# Altium PCB Audio-Streamer-Mainboard.PcbDoc (part 5 of 7)
Units mm, origin at the board's own origin, x right, y up, seen from the top; angles counter-clockwise.
Board outline 180 x 270 mm, 4 copper layers (Top Layer, VCC, GND, Bottom Layer), stack 1.62 mm thick; 653 components, 499 nets, 2423 pads, 1617 vias.
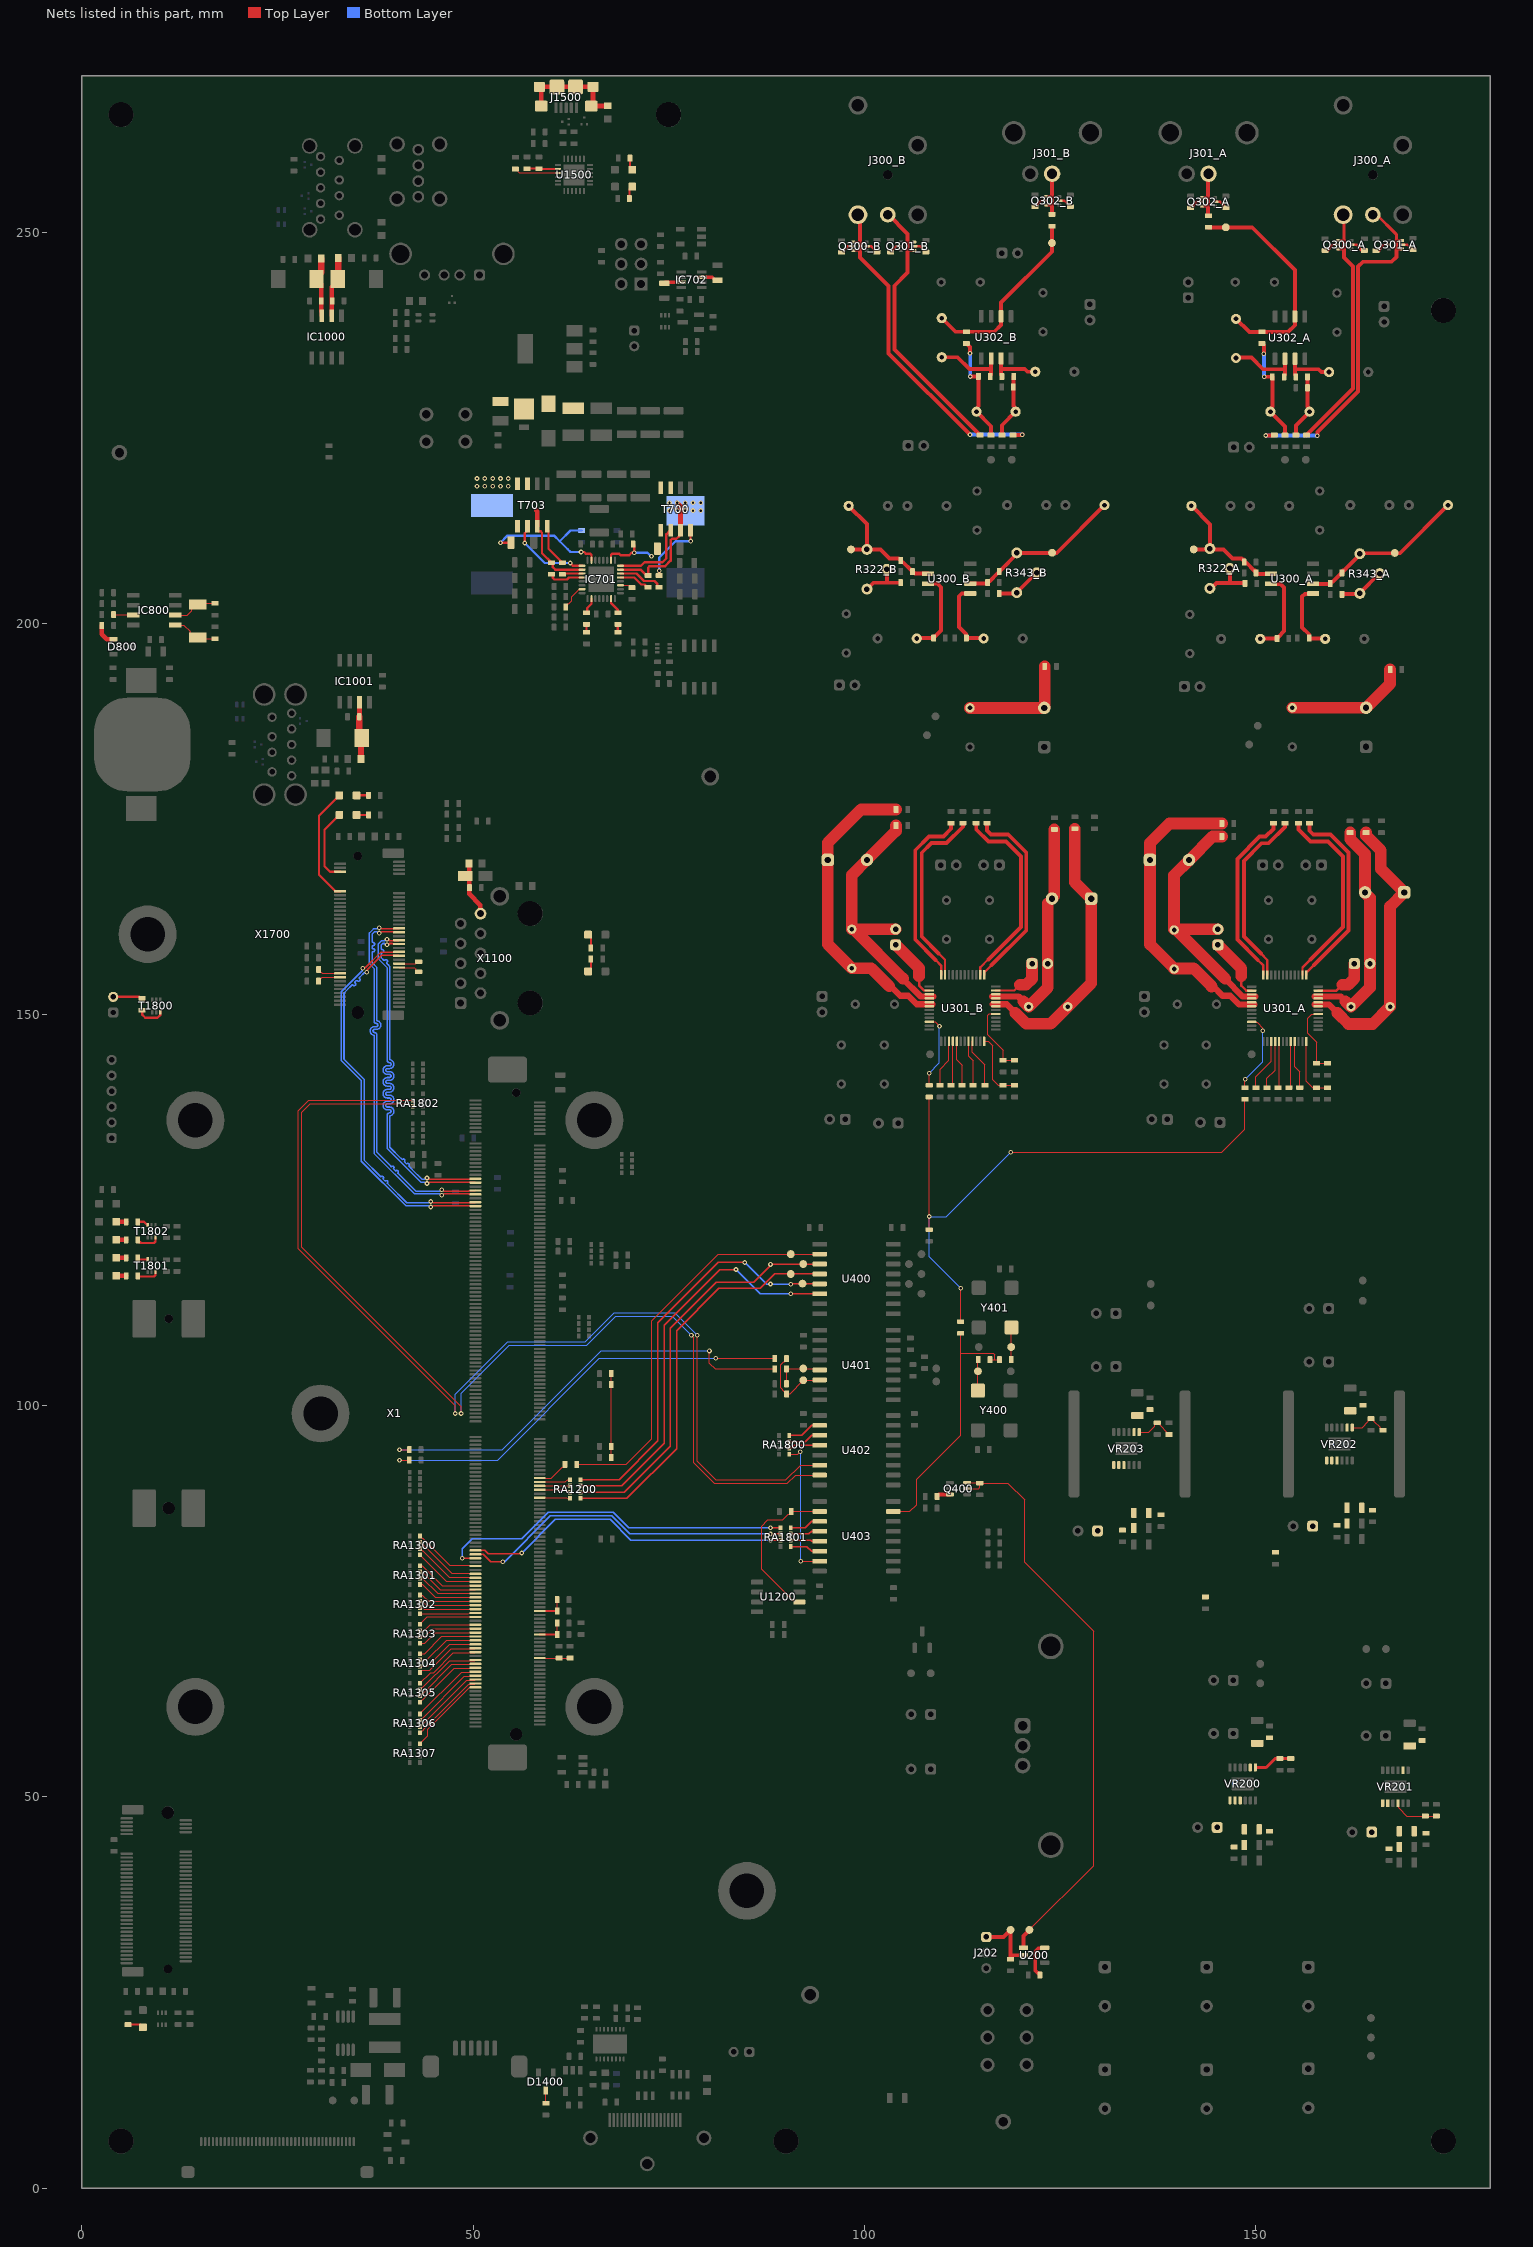
[diagram p7: the nets of this part, all layers, seen from the top]

## Via types
v1: diameter 0.6, hole 0.3, Top Layer to Bottom Layer, tented both sides, 1281 vias
v2: diameter 0.6, hole 0.3, Top Layer to Bottom Layer, 336 vias

## Nets (pads, with @x,y where several pads share a name; then routed paths per layer and width w, separated by ;. In a path a pad name is that pad's centre, name@x,y a point inside that pad or via, vN(x,y) a via of type N, cw(c..) or ccw(c..) an arc to the next point about the centre after c; other vN are vias at no path point) (continued)
MXM3_231_M: RA1801.3 X1.231 | length 42.3
  Top Layer w0.165: X1.231@50.3,81.5 51.479,81.5 51.929,81.05 56.162,81.05 56.047,81.165 v1(56.2,81.165) ; v1(88,82.8) RA1801.3@89.3,82.8
  Bottom Layer w0.165: v1(56.2,81.165) 60.5,85.465 67.499,85.465 70.164,82.8 v1(88,82.8)
MXM3_233_M: RA1801.2 X1.233 | length 42.8
  Top Layer w0.165: X1.233@50.3,81 51.3,81 52.242,80.058 v1(53.8,80.058) ; v1(88,83.6) RA1801.2@89.3,83.6
  Bottom Layer w0.165: v1(53.8,80.058) 54.018,80.058 59.89,85.93 67.692,85.93 70.022,83.6 v1(88,83.6)
MXM3_235_M: RA1801.1 X1.235 | length 46.4
  Top Layer w0.165: v1(48.6,80.5) X1.235@50.3,80.5 ; v1(88,84.4) RA1801.1@89.3,84.4
  Bottom Layer w0.165: v1(48.6,80.5) 48.6,81.7 49.9,83 56.2,83 59.595,86.395 67.885,86.395 69.88,84.4 v1(88,84.4)
MXM3_239_M: RA1300.4 X1.239 | length 8.7
  Top Layer w0.15: RA1300.4@43.2,83.35 43.475,83.075 43.543,83.075 47.043,79.575 50.225,79.575 X1.239@50.3,79.5
MXM3_243_M: RA1300.3 X1.243 | length 8.8
  Top Layer w0.15: RA1300.3@43.2,82.55 43.475,82.275 43.543,82.275 47.243,78.575 50.225,78.575 X1.243@50.3,78.5
MXM3_245_M: RA1300.2 X1.245 | length 8.7
  Top Layer w0.15: RA1300.2@43.2,81.75 43.475,81.475 43.543,81.475 46.943,78.075 50.225,78.075 X1.245@50.3,78
MXM3_247_M: RA1300.1 X1.247 | length 8.5
  Top Layer w0.15: RA1300.1@43.2,80.95 46.575,77.575 50.225,77.575 X1.247@50.3,77.5
MXM3_249_M: RA1301.4 X1.249 | length 8.2
  Top Layer w0.15: RA1301.4@43.2,79.55 43.525,79.55 46.075,77 X1.249@50.3,77
MXM3_251_M: RA1301.3 X1.251 | length 8
  Top Layer w0.15: RA1301.3@43.2,78.75 43.525,78.75 45.775,76.5 X1.251@50.3,76.5
MXM3_253_M: RA1301.2 X1.253 | length 7.9
  Top Layer w0.15: RA1301.2@43.2,77.95 43.525,77.95 45.475,76 X1.253@50.3,76
MXM3_255_M: RA1301.1 X1.255 | length 7.8
  Top Layer w0.15: RA1301.1@43.2,77.15 43.525,77.15 45.175,75.5 X1.255@50.3,75.5
MXM3_257_M: RA1302.4 X1.257 | length 7.4
  Top Layer w0.15: RA1302.4@43.2,75.8 43.525,75.8 44.325,75 X1.257@50.3,75
MXM3_259_M: RA1302.3 X1.259 | length 7.3
  Top Layer w0.15: RA1302.3@43.2,75 43.525,75 44.025,74.5 X1.259@50.3,74.5
MXM3_261_M: RA1302.2 X1.261 | length 7.2
  Top Layer w0.15: RA1302.2@43.2,74.2 43.525,74.2 43.725,74 X1.261@50.3,74
MXM3_262_M: C902.2 R900.1 X1.262 | length 3.7
  Top Layer w0.15: C902.2@60.75,73.75 R900.1@60.75,75.2
  Top Layer w0.3: X1.262@58.5,73.75 C902.2@60.75,73.75
MXM3_263_M: RA1302.1 X1.263 | length 7.1
  Top Layer w0.15: RA1302.1@43.2,73.4 49.375,73.4 49.475,73.5 X1.263@50.3,73.5
MXM3_265_M: RA1303.4 X1.265 | length 7.5
  Top Layer w0.15: RA1303.4@43.2,72.05 44.15,73 X1.265@50.3,73
MXM3_269_M: RA1303.3 X1.269 | length 7.4
  Top Layer w0.15: RA1303.3@43.2,71.25 43.75,71.25 44.5,72 X1.269@50.3,72
MXM3_271_M: RA1303.2 X1.271 | length 7.5
  Top Layer w0.15: RA1303.2@43.2,70.45 43.85,70.45 44.9,71.5 X1.271@50.3,71.5
MXM3_273_M: RA1303.1 X1.273 | length 7.7
  Top Layer w0.15: RA1303.1@43.2,69.65 43.851,69.65 45.201,71 X1.273@50.3,71
MXM3_274_M: C901.2 R901.1 X1.274 | length 3.7
  Top Layer w0.15: C901.2@60.75,70.75 R901.1@60.75,72.2
  Top Layer w0.3: X1.274@58.5,70.75 C901.2@60.75,70.75
MXM3_275_M: RA1304.4 X1.275 | length 8
  Top Layer w0.15: RA1304.4@43.2,68.3 43.8,68.3 46,70.5 X1.275@50.3,70.5
MXM3_277_M: RA1304.3 X1.277 | length 8.1
  Top Layer w0.15: RA1304.3@43.2,67.5 44.1,67.5 46.6,70 X1.277@50.3,70
MXM3_279_M: RA1304.2 X1.279 | length 8.3
  Top Layer w0.15: RA1304.2@43.2,66.7 44.2,66.7 47,69.5 X1.279@50.3,69.5
MXM3_281_M: RA1304.1 X1.281 | length 8.4
  Top Layer w0.15: RA1304.1@43.2,65.9 43.475,66.175 44.475,66.175 47.225,68.925 50.225,68.925 X1.281@50.3,69
MXM3_283_M: RA1305.4 X1.283 | length 8.8
  Top Layer w0.15: RA1305.4@43.2,64.509 44.566,65.875 44.941,65.875 47.491,68.425 50.225,68.425 X1.283@50.3,68.5
MXM3_286_M: C1300.2 R1300.1 X1.286 | length 3.9
  Top Layer w0.15: X1.286@58.5,67.75 C1300.2@61,67.75 R1300.1@62.4,67.75
MXM3_287_M: RA1305.3 X1.287 | length 8.7
  Top Layer w0.15: RA1305.3@43.2,63.709 43.475,63.984 43.543,63.984 46.984,67.425 50.225,67.425 X1.287@50.3,67.5
MXM3_289_M: RA1305.2 X1.289 | length 8.8
  Top Layer w0.15: RA1305.2@43.2,62.909 43.475,63.184 43.543,63.184 47.284,66.925 50.225,66.925 X1.289@50.3,67
MXM3_291_M: RA1305.1 X1.291 | length 8.9
  Top Layer w0.15: RA1305.1@43.2,62.109 43.475,62.384 43.543,62.384 47.584,66.425 50.225,66.425 X1.291@50.3,66.5
MXM3_293_M: RA1306.4 X1.293 | length 9.3
  Top Layer w0.15: RA1306.4@43.2,60.6 48.525,65.925 50.225,65.925 X1.293@50.3,66
MXM3_295_M: RA1306.3 X1.295 | length 9.5
  Top Layer w0.15: RA1306.3@43.2,59.8 43.475,60.075 43.543,60.075 48.893,65.425 50.225,65.425 X1.295@50.3,65.5
MXM3_297_M: RA1306.2 X1.297 | length 9.6
  Top Layer w0.15: RA1306.2@43.2,59 43.475,59.275 43.543,59.275 49.193,64.925 50.225,64.925 X1.297@50.3,65
MXM3_299_M: RA1306.1 X1.299 | length 9.7
  Top Layer w0.15: RA1306.1@43.2,58.2 43.475,58.475 43.543,58.475 43.675,58.607 43.675,58.675 49.425,64.425 50.225,64.425 X1.299@50.3,64.5
MXM3_301_M: RA1307.4 X1.301 | length 10.6
  Top Layer w0.15: RA1307.4@43.2,56.8 44.2,57.8 44.2,58.618 49.582,64 X1.301@50.3,64
NetC200_P: C200.P C202.2 C203.2 FB200.2 VR200.1 VR200.2 VR200.3
NetC203_1: C203.1 R203.2
NetC206_1: C206.1 R201.1 VR200.8
NetC213_P: C213.P C215.2 C216.2 FB201.2 VR201.1 VR201.2
NetC216_1: C216.1 R209.2
NetC219_1: C219.1 R208.1 VR201.8 | length 0.1
  Top Layer w0.15: VR201.8@168.85,53.422 VR201.8@168.9,53.472
NetC220_2: C220.2 U200.5 | length 4.8
  Top Layer w0.5: C220.2@122.44,27.22 122.44,27.37 122.39,27.42 122.24,27.42 121.84,27.82 121.84,30.24 122.26,30.66 122.99,30.66 U200.5@123.04,30.71
NetC221_P: C221.P C223.2 C224.2 FB202.2 R212.2 VR202.1 VR202.2 VR202.3
NetC224_1: C224.1 R216.2
NetC227_1: C227.1 R214.1 VR202.8
NetC228_P: C228.P C230.2 C231.2 FB203.2 R218.2 VR203.1 VR203.2 VR203.3
NetC231_1: C231.1 R222.2
NetC236_1: C236.1 R220.1 VR203.8
NetC312_A_M: C312_A.M C313_A.1 R301_A.1 | length 15.6
  Top Layer w1.5: C313_A.1@154.7,189.2 C312_A.M@164.125,189.2 167.2,192.275 R301_A.1@167.2,194.094
NetC312_B_M: C312_B.M C313_B.1 R301_B.1 | length 14.8
  Top Layer w1.5: C313_B.1@113.5,189.18 C312_B.M@123,189.18 123,189.207 123.05,189.257 R301_B.1@123.05,194.5
NetC321_A_2: C321_A.2 R308_A.1 U300_A.3 | length 11
  Top Layer w0.5: C321_A.2@150.56,198.01 150.61,198.06 152.71,198.06 152.71,198.21 152.76,198.26 152.91,198.26 153.66,199.01 153.66,204.56 153.195,205.025 U300_A.3@152,205.025
NetC321_B_2: C321_B.2 R308_B.1 U300_B.3 | length 11
  Top Layer w0.5: C321_B.2@106.7,198.05 106.75,198.1 R308_B.1@108.85,198.1 108.85,198.25 108.9,198.3 109.05,198.3 109.8,199.05 109.8,204.6 109.335,205.065 U300_B.3@108.14,205.065
NetC322_A_1: C322_A.1 R321_A.1 R328_A.2 TP304_A.1 U302_A.6 | length 29
  Top Layer w0.5: R328_A.2@144,250.6 147.6,250.6 149.577,250.6 155.035,245.142 U302_A.6@155.035,239.2 155.035,238.085 154.16,237.21 150.8,237.21 149.21,237.21 C322_A.1@147.46,238.96
NetC322_A_2: C322_A.2 R326_A.2 U302_A.2 | length 9.3
  Top Layer w0.5: C322_A.2@147.46,233.96 149.479,233.96 150.979,232.46 153.765,232.46 ; R326_A.2@153.65,231.5 153.65,231.65 153.765,231.765 153.765,232.46 ; U302_A.2@153.765,233.8 153.765,232.46
NetC322_B_1: C322_B.1 R321_B.1 R328_B.2 TP304_B.1 U302_B.6 | length 23.7
  Top Layer w0.5: C322_B.1@109.9,239 111.65,237.25 R321_B.1@113.05,237.25 116.6,237.25 117.475,238.125 U302_B.6@117.475,239.24 117.475,240.975 123.975,247.475 TP304_B.1@123.975,248.365 ; TP304_B.1@123.975,248.6 R328_B.2@123.975,250.75
NetC322_B_2: C322_B.2 R326_B.2 U302_B.2 | length 9.3
  Top Layer w0.5: C322_B.2@109.9,234 111.919,234 113.419,232.5 116.205,232.5 ; R326_B.2@116.09,231.54 116.09,231.69 116.205,231.805 116.205,232.5 ; U302_B.2@116.205,233.84 116.205,232.5
NetC323_A_2: C323_A.2 R318_A.1 R319_A.2 R322_A.1 TP303_A.1 U300_A.2 | length 17.1
  Top Layer w0.5: C323_A.2@141.86,214.96 144.2,212.62 R322_A.1@144.2,209.4 ; TP303_A.1@142.16,209.4 R322_A.1@144.2,209.4 ; R319_A.2@148.51,207.96 148.51,208.11 148.46,208.16 148.31,208.16 148.21,208.26 147.06,208.26 145.92,209.4 R322_A.1@144.2,209.4 ; R319_A.2@148.81,207.76 149.81,206.76 149.96,206.76 150.01,206.71 R318_A.1@150.01,206.56 ; R318_A.1@150.288,206.36 150.353,206.295 U300_A.2@152,206.295
NetC323_B_2: C323_B.2 R318_B.1 R319_B.2 R322_B.1 TP303_B.1 U300_B.2 | length 17.1
  Top Layer w0.5: C323_B.2@98,215 100.34,212.66 R322_B.1@100.34,209.44 ; TP303_B.1@98.3,209.44 R322_B.1@100.34,209.44 ; R319_B.2@104.65,208 104.65,208.15 104.6,208.2 104.45,208.2 104.35,208.3 103.2,208.3 102.06,209.44 R322_B.1@100.34,209.44 ; 104.95,207.8 105.95,206.8 106.1,206.8 106.15,206.75 R318_B.1@106.15,206.6 ; R318_B.1@106.428,206.4 106.493,206.335 U300_B.2@108.14,206.335
NetC324_A_M: C324_A.M C325_A.1 C327_A.M R330_A.1 U301_A.21 U301_A.22 | length 29.5
  Top Layer w0.8: 157.521,152.282 158,152.282 160.881,152.282 161.481,151.682
  Top Layer w1.5: 161.481,151.682 162.181,150.982 164.621,153.422 164.621,156.5 164.621,164.929 C324_A.M@163.975,165.575 ; R330_A.1@162.1,173.25 162.1,172.4 164,170.5 C324_A.M@164,165.6
NetC324_A_P: C324_A.P C325_A.2 R324_A.1 U301_A.19 U301_A.20 | length 36.6
  Top Layer w0.8: 157.581,151.282 159.381,151.282 160.481,150.182
  Top Layer w1.5: 160.481,150.182 161.881,148.782 164.981,148.782 C325_A.2@167.181,150.982 ; R324_A.1@164.125,173.25 164.125,172.839 166,170.964 166,168.6 C324_A.P@169,165.6 167.2,163.8 C325_A.2@167.2,151
NetC324_B_M: C324_B.M C325_B.1 C327_B.M R330_B.1 U301_B.21 U301_B.22 | length 28.4
  Top Layer w0.8: 116.34,152.3 119.7,152.3 120.3,151.7
  Top Layer w1.5: 120.3,151.7 C325_B.1@121,151 123.44,153.44 C327_B.M@123.44,156.5 C324_B.M@123.44,164.223 ; C324_B.M@123.99,164.8 123.99,164.827 124.29,165.127 R330_B.1@124.29,173.65
NetC324_B_P: C324_B.P C325_B.2 R324_B.1 U301_B.19 U301_B.20 | length 36.4
  Top Layer w0.8: 116.4,151.3 118.2,151.3 119.3,150.2
  Top Layer w1.5: 119.3,150.2 120.7,148.8 123.8,148.8 C325_B.2@126,151 128.99,153.99 C324_B.P@128.99,164.8 126.9,166.89 R324_B.1@126.9,173.75
NetC326_A_1: C326_A.1 R321_A.2 R325_A.1 R326_A.1 | length 13.7
  Top Layer w0.5: R321_A.2@150.8,235.75 151.06,235.49 v1(151.06,234.46) ; v1(151.1,231.5) R326_A.1@152.15,231.5 152.15,227.693 152.053,227.596 152.053,227.153 151.9,227 153.76,225.14 R325_A.1@153.76,224.01
  Bottom Layer w0.5: v1(151.1,231.5) v1@151.1,234.42
NetC326_A_2: C326_A.2 R331_A.1 R332_A.1 R335_A.2 | length 8.3
  Top Layer w0.5: R331_A.1@155.16,224.01 155.16,225.26 156.9,227 156.747,227.153 156.747,227.596 156.65,227.693 R335_A.2@156.65,230.1 R332_A.1@156.65,231.5
NetC326_B_1: C326_B.1 R321_B.2 R325_B.1 R326_B.1 | length 13.9
  Top Layer w0.5: R321_B.2@113.05,235.75 113.2,235.75 113.25,235.7 113.25,235.55 113.5,235.3 v1(113.5,234.5) ; v1(113.54,231.54) R326_B.1@114.59,231.54 114.59,227.733 114.493,227.636 114.493,227.193 C326_B.1@114.34,227.04 116.2,225.18 R325_B.1@116.2,224.05
  Bottom Layer w0.5: v1(113.5,234.5) 113.54,234.46 v1(113.54,231.54)
NetC326_B_2: C326_B.2 R331_B.1 R332_B.1 R335_B.2 | length 8.3
  Top Layer w0.5: R331_B.1@117.6,224.05 117.6,225.3 C326_B.2@119.34,227.04 119.187,227.193 119.187,227.636 119.09,227.733 R332_B.1@119.09,231.54
NetC327_A_P: C327_A.P U301_A.23 | length 7.2
  Top Layer w0.3: U301_A.23@158,153.05 160.349,153.05 161.081,153.782
  Top Layer w1.5: 161.081,153.782 161.846,153.782 162.621,154.557 C327_A.P@162.621,156.482
NetC327_B_P: C327_B.P U301_B.23 | length 7.2
  Top Layer w0.3: U301_B.23@116.819,153.068 119.168,153.068 119.9,153.8
  Top Layer w1.5: 119.9,153.8 120.665,153.8 121.44,154.575 C327_B.P@121.44,156.5
NetC329_A_M: C329_A.M C331_A.M C332_A.2 R333_A.2 U301_A.39 U301_A.40 | length 34.4
  Top Layer w0.8: 146.106,154.557 148.381,152.282 149.5,152.282 149.981,152.282
  Top Layer w1.5: C329_A.M@145.181,160.882 C332_A.2@139.815,160.882 ; R333_A.2@145.706,172.75 144.54,172.75 141.52,169.73 139.581,167.792 139.581,160.882 C332_A.2@139.815,160.882 ; 146.123,154.574 C332_A.2@139.815,160.882
NetC329_A_P: C329_A.P U301_A.38 | length 8
  Top Layer w0.3: 148.181,154.882 148.181,153.682 148.813,153.05 U301_A.38@149.5,153.05
  Top Layer w1.5: C329_A.P@145.181,158.882 148.181,155.882 148.181,154.882
NetC329_B_M: C329_B.M C331_B.M C332_B.2 R333_B.2 U301_B.39 U301_B.40 | length 34.9
  Top Layer w0.8: 104.925,154.575 107.2,152.3 108.8,152.3
  Top Layer w1.5: C329_B.M@104,160.9 C332_B.2@98.633,160.9 ; R333_B.2@104.05,174.15 104.05,173.46 C331_B.M@100.34,169.75 98.4,167.81 C332_B.2@98.4,160.9 C332_B.2@98.633,160.9 ; 104.942,154.592 C332_B.2@98.633,160.9
NetC329_B_P: C329_B.P U301_B.38 | length 8
  Top Layer w0.3: 107,154.9 107,153.7 107.632,153.068 U301_B.38@108.319,153.068
  Top Layer w1.5: C329_B.P@104,158.9 107,155.9 107,154.9
NetC330_A_2: C330_A.2 R332_A.2 U302_A.3 | length 6.9
  Top Layer w0.5: U302_A.3@155.035,233.8 155.035,232.46 ; R332_A.2@155.15,231.5 155.15,231.65 155.035,231.765 155.035,232.46 ; C330_A.2@159.4,232.1 158.42,232.1 158.06,232.46 155.035,232.46
NetC330_B_2: C330_B.2 R332_B.2 U302_B.3 | length 6.9
  Top Layer w0.5: U302_B.3@117.475,233.84 117.475,232.5 ; R332_B.2@117.59,231.54 117.59,231.69 117.475,231.805 117.475,232.5 ; C330_B.2@121.84,232.14 120.86,232.14 120.5,232.5 117.475,232.5
NetC331_A_P: C331_A.P C332_A.1 R337_A.2 U301_A.41 U301_A.42 | length 39.7
  Top Layer w0.8: 144.381,153.582 144.581,153.582 145.781,152.382 146.781,152.382 147.881,151.282 149.5,151.282 149.881,151.282
  Top Layer w1.5: 144.381,153.582 142.081,155.882 139.581,155.882 136.521,158.942 136.521,169.75 136.521,171.922 138.999,174.4 R337_A.2@145.706,174.4
NetC331_B_P: C331_B.P C332_B.1 R337_B.2 U301_B.41 U301_B.42 | length 40
  Top Layer w0.8: 103.2,153.6 103.4,153.6 104.6,152.4 105.6,152.4 106.7,151.3 108.7,151.3
  Top Layer w1.5: 103.2,153.6 100.9,155.9 C332_B.1@98.4,155.9 95.34,158.96 C331_B.P@95.34,169.75 95.34,171.94 99.6,176.2 R337_B.2@104.05,176.2
NetC333_A_2: C333_A.2 R338_A.1 U300_A.5 | length 9.4
  Top Layer w0.5: U300_A.5@157.4,203.755 157.395,203.76 156.31,203.76 155.96,203.41 155.96,199.46 156.86,198.56 156.86,198.11 156.91,198.06 158.91,198.06 C333_A.2@158.96,198.01
NetC333_B_2: C333_B.2 R338_B.1 U300_B.5 | length 9.4
  Top Layer w0.5: U300_B.5@113.54,203.795 113.535,203.8 112.45,203.8 112.1,203.45 112.1,199.5 113,198.6 113,198.15 R338_B.1@113.05,198.1 115.05,198.1 C333_B.2@115.1,198.05
NetC334_A_2: C334_A.2 R341_A.1 R342_A.2 R343_A.1 TP307_A.1 U300_A.6 | length 21.3
  Top Layer w0.5: U300_A.6@157.4,205.025 159.56,205.025 159.61,205.075 R341_A.1@159.61,205.16 ; 159.91,205.36 160.91,206.36 161.06,206.36 161.11,206.41 161.11,206.56 161.11,206.71 161.16,206.76 161.31,206.76 163.34,208.79 163.34,208.95 167.86,208.95 168.45,208.95 C334_A.2@174.56,215.06
NetC334_B_2: C334_B.2 R341_B.1 R342_B.2 R343_B.1 TP307_B.1 U300_B.6 | length 21.3
  Top Layer w0.5: U300_B.6@113.54,205.065 115.7,205.065 115.75,205.115 R341_B.1@115.75,205.2 ; 116.05,205.4 117.05,206.4 117.2,206.4 117.25,206.45 R342_B.2@117.25,206.6 117.25,206.75 117.3,206.8 117.45,206.8 119.48,208.83 R343_B.1@119.48,208.99 124,208.99 124.59,208.99 C334_B.2@130.7,215.1
NetC705_1: C705.1 IC701.15 L700.1 T700.3 T700.7 T700.8 | length 16.6
  Top Layer w0.3: IC701.15@68.829,206.85 71.4,206.85 72.15,206.1 C705.1@72.374,206.1 72.374,207.124 72.55,207.3 74.544,207.3 75.244,208 75.244,210.624 75.42,210.8 76,210.8 76.364,211.164 76.364,211.75 T700.3@76.514,211.9
  Top Layer w0.6: v2(76.1,215.4) 76.514,214.986 T700.3@76.514,211.9
  other v2: 75.1,214.4 76.1,214.4 77.1,214.4 78.1,214.4 79.1,214.4 75.1,215.4 77.1,215.4 78.1,215.4 79.1,215.4
NetC705_2: C705.2 IC701.13 | length 4.1
  Top Layer w0.3: IC701.13@68.829,205.85 70.589,205.85 71.489,204.95 71.898,204.95 72.074,204.774 72.074,204.75 72.224,204.6 C705.2@72.374,204.6
NetC715_2: C715.2 R706.1 | length 1
  Top Layer w0.3: C715.2@68.5,198.85 R706.1@68.5,199.85
NetC719_1: C719.1 IC701.26 L701.1 T703.3 T703.7 T703.8 | length 12.1
  Top Layer w0.3: T703.3@58.214,212.4 58.214,211.9 58.364,211.75 58.624,211.75 58.8,211.574 58.8,208.95 C719.1@60,207.75 60.021,207.75 60.171,207.6 60.171,207.179 60.5,206.85 63.629,206.85 IC701.26@63.929,206.85
  Top Layer w0.6: 58.1,214.4 58.214,214.286 T703.3@58.214,212.4
  other v2: 50.5,217.5 51.5,217.5 52.5,217.5 53.5,217.5 54.5,217.5 50.5,218.5 51.5,218.5 52.5,218.5 53.5,218.5 54.5,218.5
NetC719_2: C719.2 IC701.28 | length 4.5
  Top Layer w0.3: C719.2@60,206.25 60.046,206.25 60.196,206.1 60.196,205.775 60.372,205.6 62,205.6 62.25,205.85 IC701.28@63.929,205.85
NetC720_2: C720.2 IC702.3 | length 2.1
  Top Layer w0.4: IC702.3@79.245,244.225 80.56,244.225 80.935,243.85 C720.2@81.235,243.85
NetC721_2: C721.2 IC702.7 | length 2.2
  Top Layer w0.4: C721.2@74.435,243.45 74.56,243.575 IC702.7@76.625,243.575
NetC726_2: C726.2 R718.1 | length 1
  Top Layer w0.3: C726.2@64.5,198.85 R718.1@64.5,199.85
NetC800_1: C800.1 IC800.1 OSC800.2 | length 5.9
  Top Layer w0.15: IC800.1@11.95,199.773 13.021,199.773 13.83,198.964 13.83,198.761 14.405,198.186 OSC800.2@14.82,198.186 14.97,198.036 C800.1@17.02,198.036
NetC801_1: C801.1 IC800.2 OSC800.1 | length 5.8
  Top Layer w0.15: IC800.2@11.95,201.043 13.477,201.043 14.033,201.599 14.033,201.811 14.608,202.386 OSC800.1@14.82,202.386 14.97,202.536 C801.1@17.02,202.536
NetC1000_2: C1000.2 C1001.1 IC1000.6 L1002.1 | length 7.8
  Top Layer w0.6: IC1000.6@31.92,239.3 31.92,242.97 32.7,243.75 C1001.1@32.7,244
  Top Layer w0.8: C1001.1@32.7,244 32.77,244.07 L1002.1@32.77,246.7
NetC1003_2: C1003.2 C1004.1 IC1000.7 L1003.1 | length 7.8
  Top Layer w0.6: C1004.1@30,244 30.6,243.4 C1003.2@30.6,241.2 30.6,239.85 30.65,239.8 IC1000.7@30.65,239.3
  Top Layer w0.8: C1004.1@30,244 30,244.25 30.59,244.84 L1003.1@30.59,246.6
NetC1006_2: C1006.2 C1007.1 IC1001.7 L1007.1 | length 7.4
  Top Layer w0.6: C1007.1@35.485,185.636 C1007.1@35.771,185.35 ; C1006.2@35.485,188.05 IC1001.7@35.485,189.9
  Top Layer w0.8: C1006.2@35.45,188.05 35.45,185.671 C1007.1@35.485,185.636 ; L1007.1@35.661,182.65 35.661,185.24 C1007.1@35.771,185.35
NetC1102_1: C1102.1 C1103.2 L1100.2 X1100.P10 | length 7
  Top Layer w0.6: L1100.2@49.46,169.278 49.5,169.238 49.5,165.4 50.917,163.983 50.917,162.915 X1100.P10@50.95,162.882
NetC1800_2: C1800.2 R1801.2 R1802.1 R1803.2 | length 10.7
  Top Layer w0.15: C1800.2@67.65,93.4 R1803.2@67.65,94.8 R1802.1@67.65,102.7 R1801.2@67.65,104.1
NetD601_1: D601.1 D602.1 F600.2 L600.1
NetD800_1: D800.1 R800.1 | length 2.9
  Top Layer w0.6: R800.1@2.55,199.7 2.55,198.586 3.186,197.95 D800.1@4.05,197.95
NetD1100_C: D1100.C R1100.2 | length 1.7
  Top Layer w0.25: D1100.C@64.7,155.5 65.05,155.85 R1100.2@65.05,157.1
NetD1101_C: D1101.C R1101.2 | length 1.8
  Top Layer w0.25: D1101.C@64.7,160.2 65.05,159.85 R1101.2@65.05,158.5
NetD1400_3: D1400.3 R1405.2 | length 1.6
  Top Layer w0.15: R1405.2@59.3,10.843 D1400.3@59.3,12.465
NetD1500_A: D1500.A R1500.2 | length 1.6
  Top Layer w0.25: R1500.2@69.979,254.3 69.979,255.45 D1500.A@70.329,255.8
NetD1501_A: D1501.A R1501.2 | length 1.6
  Top Layer w0.25: R1501.2@70.05,259.45 70.05,258.239 D1501.A@70.329,257.96
NetD1600_A: D1600.A R1600.2 | length 2
  Top Layer w0.3: R1600.2@5.895,20.9 7.45,20.9 D1600.A@7.8,20.55
NetD1700_A: D1700.A R1700.2 | length 1.5
  Top Layer w0.3: D1700.A@35.1,175.5 R1700.2@36.635,175.5
NetD1700_C: D1700.C X1700.6 | length 9.6
  Top Layer w0.3: D1700.C@32.9,175.5 31,173.6 31,168.948 31.7,168.248 32.329,168.248 32.331,168.25 X1700.6@33,168.25
NetD1701_A: D1701.A R1701.2 | length 1.5
  Top Layer w0.3: D1701.A@35.1,178 R1701.2@36.635,178
NetD1701_C: D1701.C X1700.16 | length 14.8
  Top Layer w0.3: D1701.C@32.9,178 30.3,175.4 30.3,167.85 32.375,165.775 32.375,165.75 X1700.16@33,165.75
NetD1800_C: D1800.C R1804.2 | length 1.3
  Top Layer w0.6: D1800.C@4.4,116.6 R1804.2@5.65,116.6
NetD1801_C: D1801.C R1805.2 | length 1.3
  Top Layer w0.6: D1801.C@4.4,118.9 R1805.2@5.65,118.9
NetD1802_C: D1802.C R1808.1 | length 1.3
  Top Layer w0.6: D1802.C@4.4,121.2 R1808.1@5.65,121.2
NetD1803_C: D1803.C R1809.1 | length 1.3
  Top Layer w0.6: D1803.C@4.4,123.5 R1809.1@5.65,123.5
NetIC701_2: IC701.2 R718.2 | length 2.1
  Top Layer w0.3: R718.2@64.5,201.35 64.574,201.424 64.574,201.924 65.129,202.479 IC701.2@65.129,203.15